# Altium PCB GEM_AFE_128.PcbDoc (part 5 of 18) (continued)
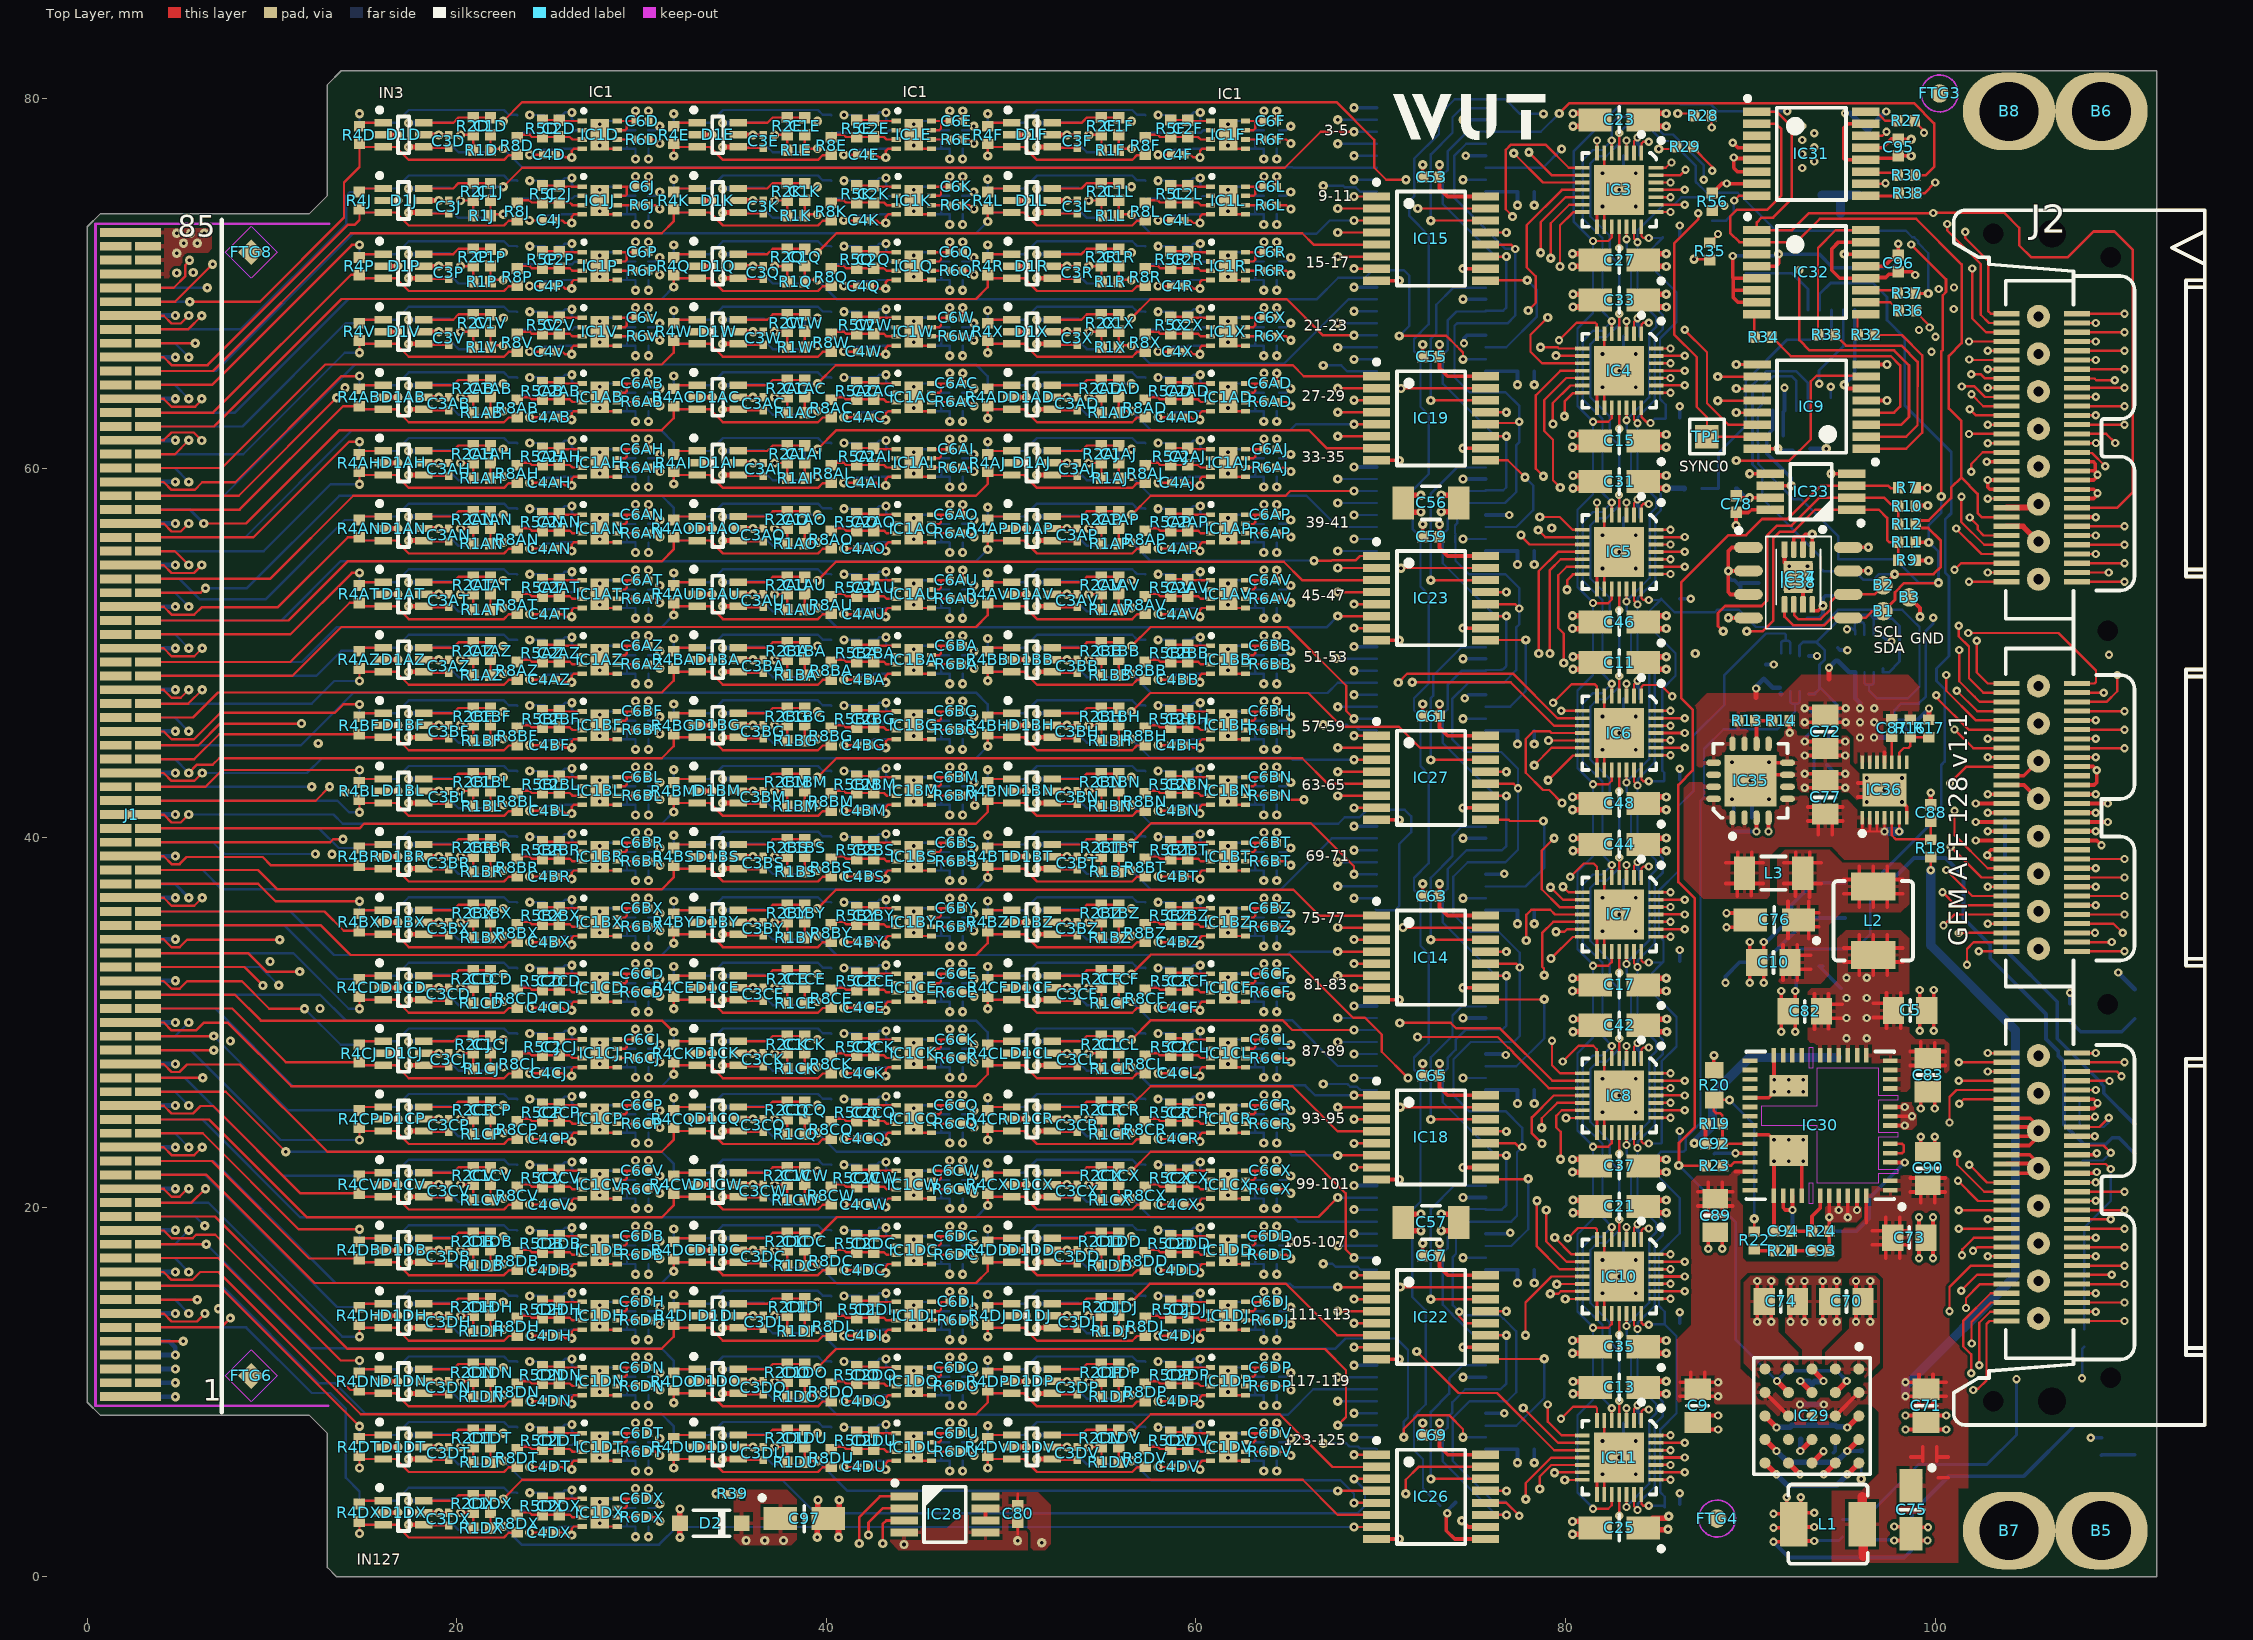
[diagram p0: Top Layer view]
## Part data (continued)
C5 C9 C10 C70 C71 C72 C73 C74 C77 C81 C82 C83: library part CC0805_22UF_35V_20%_X5R, "Non-polarised capacitor", Case=0805, Manufacturer=GENERIC, Manufacturer1 ComponentHeight=1.45mm, Manufacturer1 Example=TDK, Manufacturer1 Part Number=C2012X5R1V226M125, Tolerance=±20%, Voltage=35V, Author="CERN DEM BC", Component Type=Standard, CreateDate=04.05.2020, HelpURL=\\cern.ch\dfs\Applications\Altium\Datasheets\CC0805_X5R_TDK_C.pdf, LatestRevisionDate=04.05.2020, Manufacturer Part Number=CC0805_22UF_35V_20%_X5R, Mounted=Yes, Part Description="SMD Multilayer Chip Ceramic Capacitor", Part Number=CC0805_22UF_35V_20%_X5R, Pin Count=2, Sense=No, SMD=Yes, Socket=No, Status=Preferred, TC=X5R
C11 C13 C15 C17 C21 C23 C25 C27 C31 C33 C35 C37 C42 C44 C46 C48 C75 C76 C97: library part CTE3216-18_10UF_16V_20%_AVX_TCJ, "Polarised capacitor", Case=A, Manufacturer=AVX, Manufacturer Part Number=TCJA106M016R0200, Tolerance=±20%, Voltage=16V, Author="CERN DEM JLC", Component Type=Standard, ComponentHeight=1.8mm, CreateDate=29.03.2012, HelpURL=\\cern.ch\dfs\Applications\Altium\Datasheets\CTE_AVX_TCJ.pdf, LatestRevisionDate=29.03.2012, Mounted=Yes, Part Description="ESR 0R200 Tantalum Solid Electrolytic Chip Capacitor with Conductive Polymer Electrode", Part Number=CTE3216-18_10UF_16V_20%_AVX_TCJ, Pin Count=2, Sense=No, SMD=Yes, Socket=No, Status=Preferred
C12 C14 C16 C18 C19 C20 C22 C24 C26 C28 C29 C30 C32 C34 C36 C38 C39 C40 C43 C45 C47 C49 C50 C51: library part CC0402_100NF_6.3V_10%_X7R, "Non-polarised capacitor", Case=0402, Manufacturer=GENERIC, Manufacturer1 ComponentHeight=0.55mm, Manufacturer1 Example=MURATA, Manufacturer1 Part Number=GRM155R70J104KA01D, Tolerance=±10%, Voltage=6.3V, Author="CERN DEM BC", Component Type=Standard, CreateDate=02.11.2015, HelpURL=\\cern.ch\dfs\Applications\Altium\Datasheets\CC0402_X7R_MURATA_GRM.pdf, LatestRevisionDate=02.11.2015, Manufacturer Part Number=CC0402_100NF_6.3V_10%_X7R, Mounted=Yes, Part Description="SMD Multilayer Chip Ceramic Capacitor", Part Number=CC0402_100NF_6.3V_10%_X7R, Pin Count=2, Sense=No, SMD=Yes, Socket=No, Status="Not Recommended", TC=X7R
C41 C78 C79 C80 C85 C91 C93 C100: library part CC0402_100NF_16V_10%_X5R, "Non-polarised capacitor", Case=0402, Manufacturer=GENERIC, Manufacturer1 ComponentHeight=0.55mm, Manufacturer1 Example=MURATA, Manufacturer1 Part Number=GRM155R61C104KA88D, Tolerance=±10%, Voltage=16V, Author="CERN DEM JLC", Component Type=Standard, HelpURL=\\cern.ch\dfs\Applications\Altium\Datasheets\CC0402_X5R_MURATA_GRM.pdf, Manufacturer Part Number=CC0402_100NF_16V_10%_X5R, Mounted=Yes, Part Description="SMD Multilayer Chip Ceramic Capacitor", Part Number=CC0402_100NF_16V_10%_X5R, Pin Count=2, SMD=Yes, Socket=No, Status=None, TC=X5R
  C41 C78 C79 C80 C85 C100: CreateDate=10.12.2013, LatestRevisionDate=10.12.2013, Sense=No
  C91 C93: CreateDate=2013-12-10, LatestRevisionDate=2013-12-10, Table="Capacitors SMD"
C52 C53 C54 C55 C58 C59 C60 C61 C62 C63 C64 C65 C66 C67 C68 C69 C95 C96: library part CC0402_100NF_16V_10%_X7R, "Non-polarised capacitor", Case=0402, Manufacturer=GENERIC, Manufacturer1 ComponentHeight=0.55mm, Manufacturer1 Example=MURATA, Manufacturer1 Part Number=GRM155R71C104KA88D, Tolerance=±10%, Voltage=16V, Author="CERN DEM JLC", Component Type=Standard, CreateDate=2013-12-05, HelpURL=\\cern.ch\dfs\Applications\Altium\Datasheets\CC0402_X7R_MURATA_GRM.pdf, LatestRevisionDate=2007-12-03, Manufacturer Part Number=CC0402_100NF_16V_10%_X7R, Mounted=Yes, Part Description="SMD Multilayer Chip Ceramic Capacitor", Part Number=CC0402_100NF_16V_10%_X7R, Pin Count=2, SMD=Yes, Socket=No, Status="Not Recommended", Table="Capacitors SMD", TC=X7R
C56 C57: library part CC1206_22UF_6.3V_20%_X5R, "Non-polarised capacitor", Case=1206, Manufacturer=GENERIC, Manufacturer1 ComponentHeight=1.8mm, Manufacturer1 Example=KEMET, Manufacturer1 Part Number=C1206C226K9PAC, Tolerance=±20%, Voltage=6.3V, Author="CERN DEM JLC", Component Type=Standard, CreateDate=2007-12-03, HelpURL=\\cern.ch\dfs\Applications\Altium\Datasheets\CC1206_X5R_KEMET.pdf, LatestRevisionDate=2007-12-03, Manufacturer Part Number=CC1206_22UF_6.3V_20%_X5R, Mounted=Yes, Part Description="SMD Multilayer Chip Ceramic Capacitor", Part Number=CC1206_22UF_6.3V_20%_X5R, Pin Count=2, SMD=Yes, Socket=No, Status=Preferred, Table="Capacitors SMD", TC=X5R
C84: library part CC0402_1NF_50V_5%_C0G, "Non-polarised capacitor", Case=0402, Manufacturer=GENERIC, Manufacturer1 ComponentHeight=0.55mm, Manufacturer1 Example=KEMET, Manufacturer1 Part Number=C0402C102J5GACTU, Tolerance=±5%, Voltage=50V, Author="CERN DEM BC", Component Type=Standard, CreateDate=02.09.2019, HelpURL="\\cern.ch\dfs\Applications\Altium\Datasheets\CC0402_C0G_KEMET_(Commercial Grade).pdf", LatestRevisionDate=02.09.2019, Manufacturer Part Number=CC0402_1NF_50V_5%_C0G, Mounted=Yes, Part Description="SMD Multilayer Chip Ceramic Capacitor", Part Number=CC0402_1NF_50V_5%_C0G, Pin Count=2, Sense=No, SMD=Yes, Socket=No, Status=Preferred, TC=C0G/NP0
C86: library part CC0402_10NF_16V_10%_X7R, "Non-polarised capacitor", Case=0402, Manufacturer=GENERIC, Manufacturer1 ComponentHeight=0.55mm, Manufacturer1 Example=PHYCOMP, Manufacturer1 Part Number=223878715636, Tolerance=±10%, Voltage=16V, Author="CERN DEM JLC", Component Type=Standard, CreateDate=03.12.2007, HelpURL=\\cern.ch\dfs\Applications\Altium\Datasheets\CC0402_X7R_PHYCOMP.pdf, LatestRevisionDate=03.12.2007, Manufacturer Part Number=CC0402_10NF_16V_10%_X7R, Mounted=Yes, Part Description="SMD Multilayer Chip Ceramic Capacitor", Part Number=CC0402_10NF_16V_10%_X7R, Pin Count=2, Sense=No, SMD=Yes, Socket=No, Status="Not Recommended", TC=X7R
C87: library part CC0402_47NF_16V_10%_X7R, "Non-polarised capacitor", Case=0402, Manufacturer=GENERIC, Manufacturer1 ComponentHeight=0.55mm, Manufacturer1 Example=PHYCOMP, Manufacturer1 Part Number=223878715645, Tolerance=±10%, Voltage=16V, Author="CERN DEM JLC", Component Type=Standard, CreateDate=03.12.2007, HelpURL=\\cern.ch\dfs\Applications\Altium\Datasheets\CC0402_X7R_PHYCOMP.pdf, LatestRevisionDate=03.12.2007, Manufacturer Part Number=CC0402_47NF_16V_10%_X7R, Mounted=Yes, Part Description="SMD Multilayer Chip Ceramic Capacitor", Part Number=CC0402_47NF_16V_10%_X7R, Pin Count=2, Sense=No, SMD=Yes, Socket=No, Status="Not Recommended", TC=X7R
C88: library part CC0402_1UF_25V_10%_X5R, "Non-polarised capacitor", Case=0402, Manufacturer=GENERIC, Manufacturer1 ComponentHeight=0.55mm, Manufacturer1 Example=TDK, Manufacturer1 Part Number=C1005X5R1E105K050, Tolerance=±10%, Voltage=25V, Author="CERN DEM BC", Component Type=Standard, CreateDate=17.02.2020, HelpURL=\\cern.ch\dfs\Applications\Altium\Datasheets\CC0402_X5R_TDK_C.pdf, LatestRevisionDate=17.02.2020, Manufacturer Part Number=CC0402_1UF_25V_10%_X5R, Mounted=Yes, Part Description="SMD Multilayer Chip Ceramic Capacitor", Part Number=CC0402_1UF_25V_10%_X5R, Pin Count=2, Sense=No, SMD=Yes, Socket=No, Status=Preferred, TC=X5R
C89 C90: library part CC0805_10UF_16V_10%_X5R, "Non-polarised capacitor", Case=0805, Manufacturer=GENERIC, Manufacturer1 ComponentHeight=1.4mm, Manufacturer1 Example=KEMET, Manufacturer1 Part Number=C0805C106K4PAC, Tolerance=±10%, Voltage=16V, Author="CERN DEM JLC", Component Type=Standard, CreateDate=03.12.2007, HelpURL=\\cern.ch\dfs\Applications\Altium\Datasheets\CC1206_X5R_KEMET.pdf, LatestRevisionDate=03.12.2007, Manufacturer Part Number=CC0805_10UF_16V_10%_X5R, Mounted=Yes, Part Description="SMD Multilayer Chip Ceramic Capacitor", Part Number=CC0805_10UF_16V_10%_X5R, Pin Count=2, Sense=No, SMD=Yes, Socket=No, Status=Preferred, TC=X5R
C92: library part CC0402_1NF_50V_10%_X7R, "Non-polarised capacitor", Case=0402, Manufacturer=GENERIC, Manufacturer1 ComponentHeight=0.55mm, Manufacturer1 Example=PHYCOMP, Manufacturer1 Part Number=223858715623, Tolerance=±10%, Voltage=50V, Author="CERN DEM JLC", Component Type=Standard, CreateDate=03/12/2007, HelpURL=\\cern.ch\dfs\Applications\Altium\Datasheets\CC0402_X7R_PHYCOMP.pdf, LatestRevisionDate=03/12/2007, Manufacturer Part Number=CC0402_1NF_50V_10%_X7R, Mounted=Yes, Part Description="SMD Multilayer Chip Ceramic Capacitor", Part Number=CC0402_1NF_50V_10%_X7R, Pin Count=2, Sense=No, SMD=Yes, Socket=No, Status="Not Recommended", TC=X7R
C94: library part CC0402_15PF_50V_5%_C0G, "Non-polarised capacitor", Case=0402, Manufacturer=GENERIC, Manufacturer1 ComponentHeight=0.55mm, Manufacturer1 Example=KEMET, Manufacturer1 Part Number=C0402C150J5GACTU, Tolerance=±5%, Voltage=50V, Author="CERN DEM JLC", Component Type=Standard, CreateDate=03.12.2007, HelpURL="\\cern.ch\dfs\Applications\Altium\Datasheets\CC0805_C0G_KEMET_(Commercial Grade).pdf", LatestRevisionDate=22.04.2015, Manufacturer Part Number=CC0402_15PF_50V_5%_C0G, Mounted=Yes, Part Description="SMD Multilayer Chip Ceramic Capacitor", Part Number=CC0402_15PF_50V_5%_C0G, Pin Count=2, Sense=No, SMD=Yes, Socket=No, Status=Preferred, TC=C0G/NP0
D1A D1AA D1AB D1AC D1AD D1AE D1AF D1AG D1AH D1AI D1AJ D1AK D1AL D1AM D1AN D1AO D1AP D1AQ D1AR D1AS D1AT D1AU D1AV D1AW D1AX D1AY D1AZ D1B D1BA D1BB D1BC D1BD D1BE D1BF D1BG D1BH D1BI D1BJ D1BK D1BL D1BM D1BN D1BO D1BP D1BQ D1BR D1BS D1BT D1BU D1BV D1BW D1BX D1BY D1BZ D1C D1CA D1CB D1CC D1CD D1CE D1CF D1CG D1CH D1CI D1CJ D1CK D1CL D1CM D1CN D1CO D1CP D1CQ D1CR D1CS D1CT D1CU D1CV D1CW D1CX D1CY D1CZ D1D D1DA D1DB D1DC D1DD D1DE D1DF D1DG D1DH D1DI D1DJ D1DK D1DL D1DM D1DN D1DO D1DP D1DQ D1DR D1DS D1DT D1DU D1DV D1DW D1DX D1E D1F D1G D1H D1I D1J D1K D1L D1M D1N D1O D1P D1Q D1R D1S D1T D1U D1V D1W D1X D1Y D1Z: library part D_BAS70DW-04, "70 V 70 mA Surface Mount Schottky Barrier Diode Arrays", Case=SOT363, Manufacturer=Diodes, Power=70mA, Voltage=70V, Author=GK, Bonding=No, Component Type=Standard, ComponentHeight=1.1mm, CreateDate=15.01.2018, Device=BAS70DW-04, HelpURL=\\cern.ch\dfs\Applications\Altium\Datasheets\BAV99S.pdf, LatestRevisionDate=15.01.2018, Manufacturer Part Number=BAS70DW-04, Mounted=Yes, PackageDescription="SOT363, SC70-6, 0.65mm Pitch; 6 pin, 1.25mm W X 2.00mm L X 1.10mm H body, IPC Medium Density", Part Description="Integrated Dual Serial Pair High-Speed Switching Diodes", Part Number=BAS70DW-04, Pin Count=6, PressFit=No, Sense=No, SMD=Yes, Socket=No
D2: "Zener Diodes 3.3V 500mW", Manufacturer 1 Component Height=1.35mm, Manufacturer 1 Example="Diodes Incorporated", Supplier Part Number 1=621-MMSZ5226B-F, Author=KB, Create Date=10.07.2022, DesignItemId=MMSZ5226B-7-F, Device=MMSZ5226B-7-F, HelpURL=https://www.mouser.pl/datasheet/2/115/DIOD_S_A0003550771_1-2542306.pdf, LatestRevisionDate=10.07.2022, Manufacturer 1 Part Number=MMSZ5226B-7-F, Mounted=Yes, Part Description="Zener Diodes 3.3V 500mW", Pin Count=2, PressFit=No, Sense=No, SMD=Yes, Socket=No, Supplier 1=Mouser
FTG1 FTG2 FTG3 FTG4: library part FIDUCIAL_TARGET_C100-200, "Fiducial Target", Author="CERN DEM JLC", Component Type="Standard (No BOM)", ComponentHeight=0mm, CreateDate=2010-02-09, Family=Fiducial, LatestRevisionDate=2012-04-04, Mounted=No, PackageDescription="Round Fiducial Target, Top Layer, 1.0mm, Top Solder 2.0mm, Keepout =2.0mm", Part Description="Round Fiducial Target, Top Layer, 1.0mm, Top Solder 2.0mm, Keepout =2.0mm", Part Number=FIDUCIAL_TARGET_C100-200, Pin Count=1, SMD=Yes, Socket=No, Status=None, Table=Pads
FTG5 FTG6 FTG7 FTG8: library part FIDUCIAL_TARGET_S100-200, "Fiducial Target", Author="CERN DEM JLC", Component Type="Standard (No BOM)", ComponentHeight=0mm, CreateDate=2010-02-09, Family=Fiducial, LatestRevisionDate=2012-04-04, Mounted=No, PackageDescription="Square Fiducial Target, Top Layer, 1.0mm, Top Solder 2.0mm, Keepout =2.0mm", Part Description="Square Fiducial Target, Top Layer, 1.0mm, Top Solder 2.0mm, Keepout =2.0mm", Part Number=FIDUCIAL_TARGET_S100-200, Pin Count=1, SMD=Yes, Socket=No, Status=None, Table=Pads
IC1A IC1AA IC1AB IC1AC IC1AD IC1AE IC1AF IC1AG IC1AH IC1AI IC1AJ IC1AK IC1AL IC1AM IC1AN IC1AO IC1AP IC1AQ IC1AR IC1AS IC1AT IC1AU IC1AV IC1AW IC1AX IC1AY IC1AZ IC1B IC1BA IC1BB IC1BC IC1BD IC1BE IC1BF IC1BG IC1BH IC1BI IC1BJ IC1BK IC1BL IC1BM IC1BN IC1BO IC1BP IC1BQ IC1BR IC1BS IC1BT IC1BU IC1BV IC1BW IC1BX IC1BY IC1BZ IC1C IC1CA IC1CB IC1CC IC1CD IC1CE IC1CF IC1CG IC1CH IC1CI IC1CJ IC1CK IC1CL IC1CM IC1CN IC1CO IC1CP IC1CQ IC1CR IC1CS IC1CT IC1CU IC1CV IC1CW IC1CX IC1CY IC1CZ IC1D IC1DA IC1DB IC1DC IC1DD IC1DE IC1DF IC1DG IC1DH IC1DI IC1DJ IC1DK IC1DL IC1DM IC1DN IC1DO IC1DP IC1DQ IC1DR IC1DS IC1DT IC1DU IC1DV IC1DW IC1DX IC1E IC1F IC1G IC1H IC1I IC1J IC1K IC1L IC1M IC1N IC1O IC1P IC1Q IC1R IC1S IC1T IC1U IC1V IC1W IC1X IC1Y IC1Z: "5.5-GHz Gain Bandwidth Product, Gain of 7 V/V Stable, FET Input Amplifier", Case=SON8, Manufacturer="TEXAS INSTRUMENTS", Author="CERN DEM HF", Bonding=No, Component Type=Standard, ComponentHeight=0.8mm, CreateDate=19.04.2022, Device=OPA858IDSG, HelpURL=\\cern.ch\dfs\Applications\Altium\Datasheets\OPA858IDSG.pdf, LatestRevisionDate=19.04.2022, Manufacturer Part Number=OPA858IDSG, Mounted=Yes, PackageDescription="TEXAS Case Style DSG (WSON-N8), SON, 0.50mm Pitch, 8 Pin, 2.00mm X 2.00mm X 0.80mm H body (w/Thermal Tab 1.00 X 1.70mm)", Part Description="5.5-GHz Gain Bandwidth Product, Gain of 7 V/V Stable, FET Input Amplifier", Part Number=OPA858IDSG, Pin Count=8, PressFit=No, Sense=No, SMD=Yes, Socket=No
IC2: library part MAX11617, "12-, 2-Wire Serial 12-Bit ADCs", Manufacturer="Maxim Integrated", Manufacturer Part Number=MAX11617EEE+T
IC3 IC4 IC5 IC6 IC7 IC8 IC10 IC11: "12-Bit nanoDAC+ with 2 ppm/°C Voltage Reference Temperature Coefficient, SPI Interface", Case=QFN28, Manufacturer="ANALOG DEVICES", Author="CERN DEM HF", Bonding=No, Component Type=Standard, ComponentHeight=1.0mm, CreateDate=19.04.2022, Device=AD5674RBCPZ-1, HelpURL=\\cern.ch\dfs\Applications\Altium\Datasheets\AD5674RBCPZ-1.pdf, LatestRevisionDate=19.04.2022, Manufacturer Part Number=AD5674RBCPZ-1, Mounted=Yes, PackageDescription="QFN, 0.40mm Pitch, Square; 28 Pin, 4.00mm L X 4.00mm W X 1.00mm H body (w/Thermal Tab 2.70 X 2.70mm), IPC Medium Density", Part Description="12-Bit nanoDAC+ with 2 ppm/°C Voltage Reference Temperature Coefficient, SPI Interface", Part Number=AD5674RBCPZ-1, Pin Count=28, PressFit=No, Sense=No, SMD=Yes, Socket=No
IC9: "3-Line to 8-Line Decoder/Demultiplexer", Case=TSSOP16, Manufacturer="Texas Instruments", Author=GK, Bonding=No, Component Type=Standard, ComponentHeight=1.1mm, CreateDate=09/06/2015, Device=SN74LVC138APW, HelpURL=\\cern.ch\dfs\Applications\Altium\Datasheets\74HC138PW.pdf, LatestRevisionDate=09/06/2015, Manufacturer Part Number=SN74LVC138APW, Mounted=Yes, PackageDescription="SOP, 0.65mm pitch; 16 pin, 4.40mm W X 5.00mm L X 1.10mm H body IPC Medium Density", Part Description="3-Line to 8-Line Decoder/Demultiplexer, Inverting", Part Number=SN74LVC138APW, Pin Count=16, PressFit=No, Sense=No, SMD=Yes, Socket=No
IC12 IC13 IC14 IC15 IC16 IC17 IC18 IC19 IC20 IC21 IC22 IC23 IC24 IC25 IC26 IC27: "8-Bit Shift Register With 3-State Output Register", Case=TSSOP16, Manufacturer="TEXAS INSTRUMENTS", Author="CERN DEM JLC", Bonding=No, Component Type=Standard, ComponentHeight=1.2mm, CreateDate=10.05.2012, Device=SN74LV595APWT, HelpURL=\\cern.ch\dfs\Applications\Altium\Datasheets\SN74LV595APWT.pdf, LatestRevisionDate=10.05.2012, Manufacturer Part Number=SN74LV595APWT, Mounted=Yes, PackageDescription="SOP, 0.65mm Pitch; 16 Pin, 4.40mm W X 5.00mm L X 1.20mm H body, IPC Medium Density", Part Description="8-Bit Shift Register With 3-State Output Registers", Part Number=SN74LV595APWT, Pin Count=16, PressFit=No, Sense=No, SMD=Yes, Socket=No
IC28 IC33: "Digital Temperature Sensor and Thermal Watchdog with Two-Wire Interface", Case=SSOP8, Manufacturer="TEXAS INSTRUMENTS", Author="CERN DEM JLC", Component Type=Standard, ComponentHeight=1.09mm, CreateDate=2012-10-15, Device=LM75AIMM/NOPB, HelpURL=\\cern.ch\dfs\Applications\Altium\Datasheets\LM75AIMM-NOPB.pdf, LatestRevisionDate=2012-10-15, Manufacturer Part Number=LM75AIMM/NOPB, Mounted=Yes, PackageDescription="SOP, 0.65mm pitch; 8 pin,3.00mm W X 3.00mm L X 1.09mm H bodyI, PC Medium Density", Part Description="-25° to +100°C ±2°C Digital Temperature Sensor and Thermal Watchdog with Two-Wire Interface", Part Number=LM75AIMM/NOPB, Pin Count=8, SMD=Yes, Socket=No, Table=Sensors
IC29: library part LTM4622AEY#PBF, "3.6V-20V To 1.5V-12V, Dual 2A or Single 4A  Ultrathin Step-Down DC/DC µModule Regulator", Case=BGA25, Manufacturer="LINEAR TECHNOLOGY", Author="CERN DEM MR", Bonding=No, Component Type=Standard, ComponentHeight=2.62mm, CreateDate=29.09.2017, Device=LTM4622AEY, HelpURL=\\cern.ch\dfs\Applications\Altium\Datasheets\LTM4622AEY#PBF.pdf, LatestRevisionDate=03.02.2022, Manufacturer Part Number=LTM4622AEY, Mounted=Yes, PackageDescription="BGA, 1.27mm Pitch, Square; 25 Pin, 5 Columns X 5 Rows, 6.25mm X 6.25mm X 2.62mm H", Part Description="3.6V-20V To 1.5V-12V, Dual 2A or Single 4A  Ultrathin Step-Down DC/DC uModule Regulator", Part Number=LTM4622AEY#PBF, Pin Count=25, PressFit=No, Sense=No, SMD=Yes, Socket=No
IC30: "0.8V to 85% PVIN (4.75-19V), 6A Synchronous Step-Down Regulator Module", Manufacturer="MICROCHIP TECHNOLOGY", Author="CERN DEM JMW", Bonding=No, Component Type=Standard, ComponentHeight=3mm, CreateDate=15.08.2016, Device=MIC45116-1YMP, HelpURL=\\cern.ch\dfs\Applications\Altium\Datasheets\MIC45116-1YMP.pdf, LatestRevisionDate=15.08.2016, Manufacturer Part Number=MIC45116-1YMP, Mounted=Yes, PackageDescription="MICROCHIP_H3QFN88-52LD-PL-3, 0.50mm Pitch, Square, 52 Pin, 8mm L X 8mm W X 3mm H Body", Part Description="0.8V to 85% PVIN (4.75-19V), 6A Synchronous Step-Down Regulator Module", Part Number=MIC45116-1YMP, Pin Count=53, PressFit=No, Sense=No, SMD=Yes, Socket=No
IC31 IC32: "I2C-bus to SPI bridge", Case=TSSOP16, Manufacturer="NXP SEMICONDUCTORS", Author=GK, Bonding=No, Component Type=Standard, ComponentHeight=1.1mm, CreateDate=14/12/2015, Device=SC18IS606PWJ, HelpURL=\\cern.ch\dfs\Applications\Altium\Datasheets\SC18IS602B.pdf, LatestRevisionDate=14/12/2015, Manufacturer Part Number=SC18IS606PWJ, Mounted=Yes, PackageDescription="SOP, 0.65mm pitch; 16 pin, 4.40mm W X 5.00mm L X 1.10mm H body IPC Medium Density", Part Description="I2C-Bus to SPI Bridge", Part Number=SC18IS606PWJ, Pin Count=16, PressFit=No, Sense=No, SMD=Yes, Socket=No
IC34: "1.7V-5.5V 64K I2C Serial EEPROM", Case=DFN8, Manufacturer="MICROCHIP TECHNOLOGY", Author="CERN DEM JLC", Bonding=No, Component Type=Standard, ComponentHeight=1mm, CreateDate=18.11.2009, Device=24AA64T-I/MC, HelpURL=\\cern.ch\dfs\Applications\Altium\Datasheets\24AA64T-I-MC.pdf, LatestRevisionDate=24.01.2011, Manufacturer Part Number=24AA64T-I/MC, Mounted=Yes, PackageDescription="SON (DFN), 0.50mm pitch, 8 pin, 2mm X 3mm X 1.00mm H body (w/thermal tab 1.75 X 1.55mm),  IPC Medium Density", Part Description="1.7V-5.5V, 64K  (8K x 8-bit) I2C Serial EEPROM", Part Number=24AA64T-I/MC, Pin Count=9, PressFit=No, Sense=No, SMD=Yes, Socket=No
IC35: "4A Sequencing LDO with Tracking and Ramp Control", Case=QFN16, Manufacturer="MICROCHIP TECHNOLOGY", Author="CERN DEM HF", Bonding=No, Component Type=Standard, ComponentHeight=0.9MM, CreateDate=20.04.2022, Device=MIC68400YML, HelpURL=\\cern.ch\dfs\Applications\Altium\Datasheets\MIC68400YML.pdf, LatestRevisionDate=20.04.2022, Manufacturer Part Number=MIC68400YML, Mounted=Yes, PackageDescription="QFN, 0.65mm Pitch, Square; 16 Pin, 4.00mm L X 4.00mm W X 1.00mm H body (w/Thermal Tab 2.80 X 2.80mm), IPC Medium Density", Part Description="4A Sequencing Low-Dropout with Tracking and Ramp Control", Part Number=MIC68400YML, Pin Count=16, PressFit=No, Sense=No, SMD=Yes, Socket=No
IC36: "4A, High-Performance, Low-Dropout Linear Regulator", Case=SON14, Manufacturer=MAXIM, Author="CERN DEM HF", Bonding=No, Component Type=Standard, ComponentHeight=0.8mm, CreateDate=20.04.2022, Device=MAX38908ATD, HelpURL=\\cern.ch\dfs\Applications\Altium\Datasheets\MAX38908ATD.pdf, LatestRevisionDate=20.04.2022, Manufacturer Part Number=MAX38908ATD, Mounted=Yes, PackageDescription="SON, 0.40mm Pitch; 14 Pin, 3.00mm W X 3.00mm L X 0.80mm H Body (w/Thermal Tab1.8mm x 2.4mm)", Part Description="4A, High-Performance, Low-Dropout Linear Regulator", Part Number=MAX38908ATD, Pin Count=14, PressFit=No, Sense=No, SMD=Yes, Socket=No
IC37: "1.7V-5.5V 64K I2C Serial EEPROM", Manufacturer=Microchip, Manufacturer 1 Component Height=0.8mm, Supplier Part Number 1=579-24AA64T-E/MNY, Author=KBE, Create Date=21.10.2022, DesignItemId=24AA64T-E/MNY, Device=24AA64T-E/MNY, HelpURL=https://eu.mouser.com/datasheet/2/268/24AA64_24FC64_24LC64_64_Kbit_I2C_Serial_EEPROM_200-2934388.pdf, LatestRevisionDate=21.10.2022, Manufacturer Part Number=24AA64T-E/MNY, Mounted=Yes, Part Description="1.7V-5.5V 64K I2C Serial EEPROM", Part Number=24AA64T-E/MNY, Pin Count=9, PressFit=No, Sense=No, SMD=Yes, Socket=No, Supplier 1=Mouser
IC38: "1.7V-5.5V 64K I2C Serial EEPROM", Manufacturer 1 Component Height=1.75mm, Manufacturer 1 Example=Microchip, Supplier Part Number 1=579-24AA64-E/SN, Author=KBE, Create Date=21.10.2022, DesignItemId=24AA64-E/SN, Device=24AA64-E/SN, HelpURL=https://eu.mouser.com/datasheet/2/268/24AA64_24FC64_24LC64_64_Kbit_I2C_Serial_EEPROM_200-2934388.pdf, LatestRevisionDate=21.10.2022, Manufacturer 1 Part Number=24AA64-E/SN, Mounted=Yes, Part Description="1.7V-5.5V 64K I2C Serial EEPROM", Pin Count=8, PressFit=No, Sense=No, SMD=Yes, Socket=No, Supplier 1=Mouser
IC39: "1.7V-5.5V 64K I2C Serial EEPROM", Manufacturer 1 Component Height=1.1mm, Manufacturer 1 Example=Microchip, Supplier Part Number 1=579-24AA64T-I/MS, Author=KBE, Create Date=21.10.2022, DesignItemId=24AA64T-I/MS, Device=24AA64T-I/MS, HelpURL=https://eu.mouser.com/datasheet/2/268/24AA64_24FC64_24LC64_64_Kbit_I2C_Serial_EEPROM_200-2934388.pdf, LatestRevisionDate=21.10.2022, Manufacturer 1 Part Number=24AA64T-I/MS, Mounted=Yes, Part Description="1.7V-5.5V 64K I2C Serial EEPROM", Pin Count=8, PressFit=No, Sense=No, SMD=Yes, Socket=No, Supplier 1=Mouser
J1: library part PICMG_uTCA.0_R1.0., "170 Contact MicroTCA (Telecom Computing Architecture) Board Edge Connector", Manufacturer=PICMG, Author="CERN DEM JLC", Component Type="Standard (No BOM)", ComponentHeight=0mm, CreateDate=27.01.2015, Family=uTCA, HelpURL=\\cern.ch\dfs\Applications\Altium\Datasheets\PICMG_uTCA.0_R1.0.pdf, LatestRevisionDate=27.01.2015, Mounted=No, Part Description="170 Contact MicroTCA (Telecom Computing Architecture) Board Edge Connector", Part Number=PICMG_uTCA.0_R1.0., Pin Count=170, PressFit=No, Sense=No, SMD=No, Socket=No, Status=None
J2: library part SAMTEC_QSH-090-01-F-D-RA, "Connector 180 Female (3x60) + 3x8 GND", Manufacturer=SAMTEC, Manufacturer Part Number=QSH-090-01-F-D-RA, Author="CERN DEM HF", Component Type=Standard, ComponentHeight=15.5mm, CreateDate=14.04.2022, HelpURL=\\cern.ch\dfs\Applications\Altium\Datasheets\SAMTEC_QSH-090-01-F-D-RA.pdf, LatestRevisionDate=14.04.2022, Mounted=Yes, Part Description="180 Contacts ((2X30)x3), Pitch 0.5mm, RIGHT-ANGLE Double Row High Speed Ground Plane Socket", Part Number=SAMTEC_QSH-090-01-F-D-RA, Pin Count=204, PressFit=No, Sense=No, SMD=Yes, Socket=No, Status=None
L1 L2: library part IND_1UH_20%_BOURNS_SRP4020TA, "Inductor", Manufacturer=BOURNS, Manufacturer Part Number=SRP4020TA-1R0M, Power=5A, Resistance=0.027R, Tolerance=±20%, Author="CERN DEM BC", Component Type=Standard, ComponentHeight=2mm, CreateDate=02.09.2015, HelpURL=\\cern.ch\dfs\Applications\Altium\Datasheets\IND_BOURNS_SRP4020TA.pdf, LatestRevisionDate=02.09.2015, Mounted=Yes, Part Description="Shielded Power Inductor", Part Number=IND_1UH_20%_BOURNS_SRP4020TA, Pin Count=2, Sense=No, SMD=Yes, Socket=No, Status=None
L3: library part IND1206_MURATA_BLM31KN121SN1, Case=1206, Manufacturer=MURATA, Manufacturer Part Number=BLM31KN121SN1, Power=6A, Resistance=0.009R, Tolerance=±25%, Author="CERN DEM HF", Component Type=Standard, ComponentHeight=1.8mm, CreateDate=05.01.2022, HelpURL="\\cern.ch\dfs\Applications\Altium\Datasheets\IND1206_MURATA_ BLM31KN_SN.pdf", LatestRevisionDate=05.01.2022, Mounted=Yes, Part Description="SMD Chip Ferrite Bead, BLM31KN_SN Series", Part Number=IND1206_MURATA_BLM31KN121SN1, Pin Count=2, Sense=No, SMD=Yes, Socket=No